# KiCad board VFDSAO.kicad_pcb (continued)
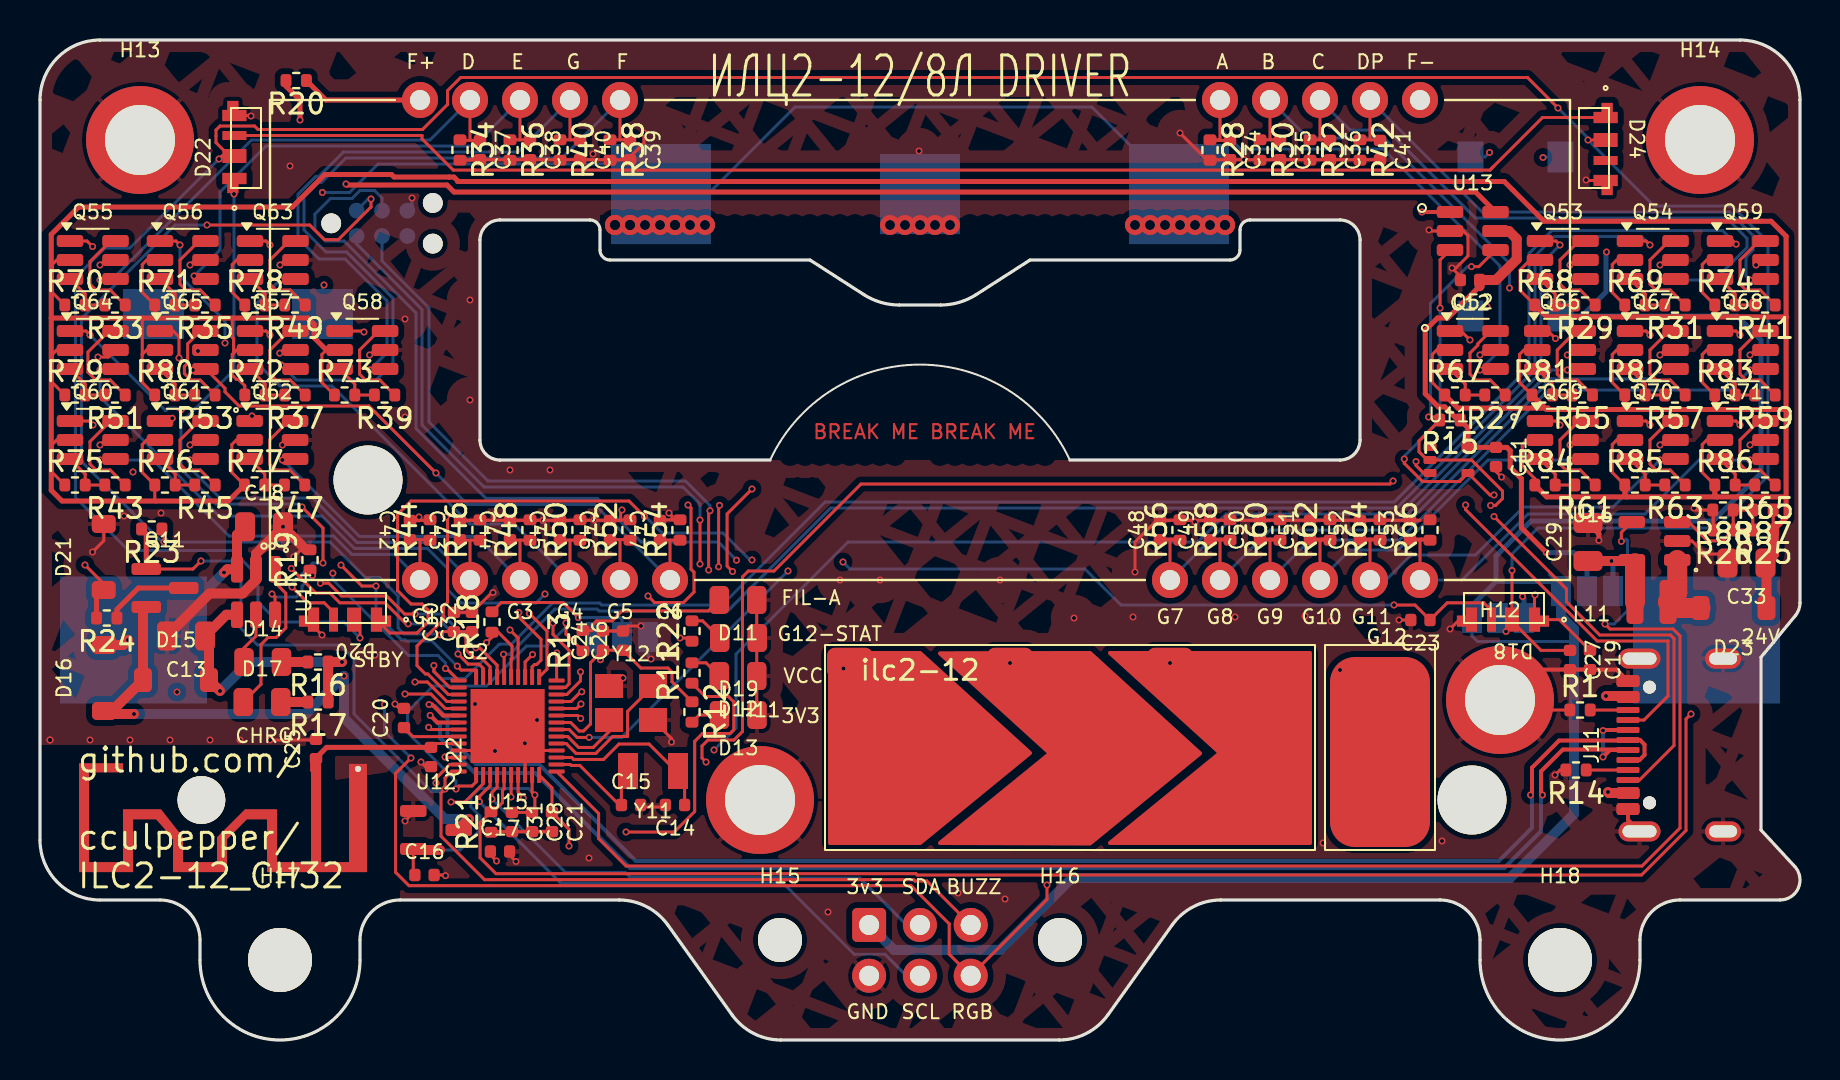
[diagram p0: board, top side]
## Routing (per net, layer and track width the routed paths; a pad name or vN(x,y) marks a point on that pad's centre or on a via; arc(x,y) is an arc through that point) (continued)
/FIL_DRIVE_B: length 109.7
  Top w0.15: U15.40 22.16,12.81 21.25,11.9 v2(20.55,11.9) ; v2(68.21,29.05) 68.21,28.84 69.12,27.92 70.97,27.92 U11.4 72.5,27.25 v2(72.7,27.25) ; v2(70,36.6) 70,39 U13.3
  In2.Cu w0.15: v2(72.7,27.25) 78.62,27.25 81.9,23.97 81.9,9.6 80.43,8.12 51.86,8.12 50.68,6.95 49.48,6.95 48.05,8.38 28.78,8.38 26.9,10.25 20.93,10.25 20.55,10.63 v2(20.55,11.9)
  Bottom w0.15: v2(68.21,29.05) 68.21,29.19 70,30.98 v2(70,36.6)
/FIL_SUP: length 27
  Top w0.25: 71.98,37.69 70.39,36.1 69.88,36.1 69.26,35.49 69.26,32.31 69.92,31.66 70.24,31.66 70.89,31 R15.1 71.4,30.61 U11.5 71.42,29.63 C11.1 73.34,29.63 73.51,29.47 73.51,28.63 74.07,28.07 74.07,25.62 v2(75.32,24.37)
  Top w0.5: U13.5 73.44,40.45 73.84,40.05 73.84,39.04 72.8,38 C12.1 71.98,37.69
  Bottom w0.25: JP11.2 77.35,23.69 76.67,24.37 v2(75.32,24.37)
/I2C_SCL: length 27.2
  Top w0.15: U15.41 22.5,12.71 21.97,12.17 v2(21.97,11.92)
  Bottom w0.15: J16.4 43.32,3.21 42.25,4.29 40.71,4.29 37.15,7.85 26.04,7.85 v2(21.97,11.92)
/I2C_SDA: length 25.3
  Top w0.15: 22.86,13.25 22.86,12.64 22.6,12.38 v2(22.6,12.05)
  Bottom w0.15: v2(22.6,12.05) 26.28,8.38 29.27,8.38 29.5,8.15 37.6,8.15 37.65,8.1 40.99,8.1 43.33,5.75 J16.3
/RGB_SUP: length 160.1
  Top w0.15: v2(73.3,20.42) 73.5,20.62 73.5,20.92 D18.2 ; D24.2 v2(77.4,45) ; D18.2 v2(73.6,23.47) ; D18.2 73.6,20.93 75.05,19.48 C27.1 ; v2(16,20.1) 16,20.89 ; v2(75.9,46.6) 74.38,48.12 21.03,48.12 20.38,47.47 20.38,46.77 19.12,45.53 10.9,45.53 10.72,45.7 9,45.7 8.8,45.5 8.8,44.87 9.47,44.2 D22.2 9.1,44.2 v2(8.95,44.05)
  Bottom w0.15: v2(8.95,44.05) 4.5,39.6 3.25,39.6 1.77,38.13 1.77,27.12 4.42,24.47 9.62,24.47 10.9,23.2 10.9,21.9 11.9,20.9 15.2,20.9 v2(16,20.1) ; v2(73.6,23.47) 73.6,24.3 74.9,25.6 83.8,25.6 86.4,28.2 86.4,39.9 84.6,41.7 80.7,41.7 v2(77.4,45) 77.4,45.1 v2(75.9,46.6) ; JP13.2 72.9,20.83 v2(73.3,20.42)
/RST: length 54.7
  Top w0.15: v2(27.46,15.13) 26.85,15.13 26.46,15.53 U15.7
  In2.Cu w0.15: v2(34.83,23.99) 35.27,23.55 37.3,23.55 v2(37.4,23.45)
  Bottom w0.15: v2(27.46,15.13) 29.08,15.13 v2(37.4,23.45) ; v2(34.83,23.99) 33.92,24.9 30.05,24.9 27.87,27.08 22.3,27.08 18.8,30.58 18.8,36.36 15.21,39.95 14.28,39.95 13.74,40.5 13.74,41.29 14.53,42.08 15.6,42.08 16,42.47 16.73,42.47 17.1,42.1 J12.3
/TOUCH1: length 15.6
  Top w0.15: 25.83,16.22 26.89,16.22 v2(27.03,16.08)
  In2.Cu w0.15: v2(40.17,18.58) 37.45,15.85 27.26,15.85 v2(27.03,16.08)
/TOUCH2: length 24.3
  Top w0.15: v2(27.05,16.8) 26.83,16.58 U15.10
  In2.Cu w0.15: v2(27.05,16.8) 36.25,16.8 39.1,19.65 47.7,19.65 v2(48.5,18.85)
/TOUCH3: length 33.1
  Top w0.15: v2(27.09,17.41) 27.03,17.41 26.55,16.92 U15.11
  In2.Cu w0.15: v2(56.5,18.85) 51.05,18.85 49.1,20.8 37.75,20.8 34.36,17.41 v2(27.09,17.41)
/TOUCH4: length 42.8
  Top w0.15: U15.12 26.34,17.28 27.03,17.96 v2(27.03,18.41)
  In2.Cu w0.15: v2(27.03,18.41) 28.12,18.41 28.31,18.6 33.55,18.6 36.85,21.9 49.9,21.9 51.55,20.25 63.25,20.25 v2(65,18.5)
/USB+: length 73.3
  Top w0.2: v2(19.51,16.23) 19.86,15.88 U15.31 ; v2(75.12,12.25) 75.05,12.32 75.05,13.43 76.14,14.52 79.47,14.52 ; J11.A6 78.5,14.5 v2(78.15,14.15) ; v2(78.15,15.47) 78.18,15.5 J11.B6
  Bottom w0.2: v2(78.15,15.47) v2(78.15,14.15) ; v2(19.51,16.23) 19.52,16.23 20,15.75 20,15.1 21.75,13.35 24.76,13.35 29.51,8.6 73.22,8.6 75.05,10.43 75.05,12.18 v2(75.12,12.25)
/USB-: length 72.2
  Top w0.2: J11.A7 80,15 80.22,14.78 80.22,14.25 79.97,14 J11.B7 ; 79.47,14.97 75.95,14.97 74.6,13.62 74.6,12.32 v2(74.53,12.25) ; v2(19.45,16.78) 19.61,16.78 20.16,16.22 20.93,16.22
  Bottom w0.2: v2(19.45,16.78) 19.53,16.7 19.75,16.7 20.38,16.08 20.38,15.22 21.8,13.8 24.94,13.8 29.79,8.95 72.93,8.95 74.6,10.62 74.6,12.18 v2(74.53,12.25)
/V_HI_EN: length 79.8
  Top w0.15: U16.4 79.07,25.38 v2(79.07,24.93) ; v2(78.25,20.8) 78.5,20.55 81.65,20.55 82,20.2 82,10.6 80.1,8.7 29.3,8.7 27.93,10.07 27.93,11.33 U15.1
  Bottom w0.15: v2(79.07,24.93) 79.11,24.97 79.38,24.97 ; 79.38,24.97 79.3,25.05 ; 79.38,24.97 79.38,21.47 78.71,20.8 v2(78.25,20.8)
Net-(AE11-A): length 8.7
  Top w0.15: 13.58,13.47 13.58,13.85 C25.1 ; U15.34 19.75,14.83 C22.1
  Top w0.25: AE11.1 C25.1 13.8,14.1 14.33,14.63 C22.1
Net-(BTe11-+): length 110.7
  Top w0.15: v2(26.45,9.7) 26.45,10.53 C21.1 25.6,12.61 U15.48
  In2.Cu w0.15: v2(14.12,42.38) 12.99,41.25 2.92,41.25 1.75,40.08 1.75,26 12.8,14.95 15.75,14.95 21,9.7 v2(26.45,9.7)
  Bottom w0.15: v2(14.12,42.38) 14.12,42.38 15.48,42.38 16.9,43.8 29.54,43.8 BTe11.1 33.39,42.29 37.75,46.65 52.59,46.65 BTe11.1
  vias: v3(28.75,40.75) v3(28.75,40.75) v3(29.5,40.75) v3(29.5,40.75) v3(30.25,40.75) v3(31,40.75) v3(31.75,40.75) v3(31.75,40.75) v3(32.5,40.75) v3(33.25,40.75) v3(54.75,40.75) v3(55.5,40.75) v3(56.25,40.75) v3(57,40.75) v3(57.75,40.75) v3(58.5,40.75) v3(59.25,40.75) v3(59.25,40.75)
Net-(BZ11-+): length 41.9
  Top w0.15: D21.1 3.19,22.81 v2(2.25,23.75)
  Top w0.25: R24.2 2.83,22.14 D21.1
  In2.Cu w0.15: v2(2.25,23.75) 1.35,24.65 1.35,40.1 2.85,41.6 7.3,41.6 8.8,43.1 14.11,43.1 15.56,41.65 15.56,39.11 v2(14.2,37.75)
  Bottom w0.15: BZ11.1 14.12,37.67 v2(14.2,37.75)
Net-(D11-A): length 7.6
  Top w0.15: D11.2 33.42,21.45 29.11,21.45 28.61,20.95 27.82,20.95 27.61,20.75 27.61,20.47 R13.2
Net-(D12-A): length 1.6
  Top w0.15: D12.2 33.3,18.86 R11.2
Net-(D13-A): length 1.5
  Top w0.15: D13.2 32.96,16.25 R12.2
Net-(D14-A): length 1.3
  Top w0.5: R16.2 D14.2
Net-(D14-K): length 2.6
  Top w0.15: D14.1 10.2,19.6 10.8,20.2 U14.5
Net-(D17-A): length 1.4
  Top w0.5: R17.2 D17.2
Net-(D17-K): length 8
  Top w0.15: U14.1 11.75,22.88 12.29,22.34 12.29,20.61 11.81,20.12 11.4,20.12 11.05,19.77 11.05,17.79 D17.1
Net-(D18-DOUT): length 67.9
  Top w0.15: v2(67.7,21.75) 68.75,21.75 C23.1 70.36,21.86 72.19,21.86 72.57,21.47 D18.3 ; D20.1 17.5,20.35 18.85,20.35 19.4,20.9 19.4,21.5 19.1,21.8 18.55,21.8 17.88,22.47 17.88,26.28 18.55,26.95 29.45,26.95 v2(30.22,26.17)
  In2.Cu w0.15: v2(35.6,24) 35.75,24.15 39.9,24.15 v2(40.15,23.9)
  Bottom w0.15: v2(40.15,23.9) 40.5,23.55 52.25,23.55 54.05,21.75 v2(67.7,21.75) ; v2(30.22,26.17) 30.28,26.17 31.1,25.35 34.15,25.35 35.5,24 v2(35.6,24)
Net-(D19-A): length 1.7
  Top w0.15: R22.2 33.13,20.96 D19.2
Net-(D20-DOUT): length 30.8
  Top w0.15: v2(9.7,42.3) 9.72,42.32 9.72,43.08 ; v2(14.15,23.85) 14.15,25.6 v2(13.1,26.65) ; v2(12.6,22.65) 13.39,21.86 14.21,21.86 14.67,21.39 D20.3
  Bottom w0.15: v2(14.15,23.85) 13.65,23.85 12.6,22.8 v2(12.6,22.65) ; v2(13.1,26.65) 12.95,26.8 8.8,26.8 7.05,28.55 7.05,30.85 9.7,33.5 v2(9.7,42.3)
Net-(D22-DOUT): length 70.7
  Top w0.15: 72.68,43.67 75.12,46.12 D24.1 ; 72.68,43.67 72.5,43.5 ; 72.68,43.67 72.5,43.5 21.75,43.5 21.75,43.5 21.75,43.5 20.66,43.5 19.1,45.06 19.1,45.22 D22.3
Net-(D23-A): length 4
  Top w1: U16.1 81.86,22.36 L11.2 81.7,21.6 D23.2
Net-(J11-CC1): length 2.1
  Top w0.15: J11.A5 R14.1
Net-(J11-CC2): length 1.9
  Top w0.15: J11.B5 R1.2
Net-(JP12-C): length 7.9
  Top w0.15: v2(26.92,21.12) 26.16,21.88 23.06,21.88 R18.2
  Bottom w0.15: JP12.2 29.1,21.04 29.03,21.12 v2(26.92,21.12)
Net-(Q11-D): length 4.2
  Top w0.25: R24.1 3.85,21.53 4.92,22.6 Q11.3
Net-(Q52A-D): length 5
  Top w0.15: Q52.6 72.53,35.45 71.89,34.81 71.89,34.74 71.5,34.35 71.5,33.29 71.79,33 72.51,33 R27.1
Net-(Q52B-G): length 2.6
  Top w0.15: Q52.3 71.26,32.79 R67.2 R27.2
Net-(Q53A-D): length 5.1
  Top w0.15: R29.1 77.01,37.5 76.29,37.5 76,37.79 76,39 76.95,39.95 77.28,39.95
Net-(Q53B-G): length 2.6
  Top w0.15: R29.2 R68.2 75.76,37.29 Q53.3
Net-(Q54A-D): length 5.1
  Top w0.15: 81.78,39.95 81.45,39.95 80.5,39 80.5,37.79 80.79,37.5 81.51,37.5 R31.1
Net-(Q54B-G): length 2.6
  Top w0.15: Q54.3 80.26,37.29 R69.2 R31.2
Net-(Q55A-D): length 5
  Top w0.15: Q55.6 3.53,39.95 2.5,38.92 2.5,37.79 2.79,37.5 3.51,37.5 R33.1
Net-(Q55B-G): length 2.6
  Top w0.15: R33.2 R70.2 2.26,37.29 Q55.3
Net-(Q56A-D): length 5.1
  Top w0.15: R35.1 8.01,37.5 7.29,37.5 7,37.79 7,39 7.95,39.95 Q56.6
Net-(Q56B-G): length 2.6
  Top w0.15: R35.2 R71.2 6.76,37.29 Q56.3
Net-(Q57A-D): length 5.1
  Top w0.15: R37.1 12.51,33 11.79,33 11.5,33.29 11.5,34.5 12.45,35.45 Q57.6
Net-(Q57B-G): length 2.6
  Top w0.15: R37.2 R72.2 11.26,32.79 Q57.3
Net-(Q58A-D): length 5.1
  Top w0.15: Q58.6 16.93,35.45 15.98,34.5 15.98,33.29 16.27,33 16.99,33 R39.1
Net-(Q58B-G): length 2.6
  Top w0.15: R39.2 R73.2 15.74,32.79 Q58.3
Net-(Q59A-D): length 5.1
  Top w0.15: 86.28,39.95 85.95,39.95 85,39 85,37.79 85.29,37.5 86.01,37.5 R41.1
Net-(Q59B-G): length 2.6
  Top w0.15: R41.2 R74.2 84.76,37.29 Q59.3
Net-(Q60A-D): length 5
  Top w0.15: Q60.6 3.53,30.95 2.5,29.92 2.5,28.79 2.79,28.5 3.51,28.5 R43.1
Net-(Q60B-G): length 2.6
  Top w0.15: R43.2 R75.2 2.26,28.29 Q60.3
Net-(Q61A-D): length 5.1
  Top w0.15: Q61.6 7.95,30.95 7,30 7,28.79 7.29,28.5 8.01,28.5 R45.1
Net-(Q61B-G): length 2.6
  Top w0.15: Q61.3 6.76,28.29 R76.2 R45.2
Net-(Q62A-D): length 5.1
  Top w0.15: R47.1 12.49,28.5 11.77,28.5 11.48,28.79 11.48,30 12.43,30.95 Q62.6
Net-(Q62B-G): length 2.6
  Top w0.15: Q62.3 11.24,28.29 R77.2 R47.2
Net-(Q63A-D): length 5.1
  Top w0.15: Q63.6 12.45,39.95 11.5,39 11.5,37.79 11.79,37.5 12.51,37.5 R49.1
Net-(Q63B-G): length 2.6
  Top w0.15: Q63.3 11.26,37.29 R78.2 R49.2
Net-(Q64A-D): length 5.2
  Top w0.15: R51.1 3.51,33 2.79,33 2.4,33.4 2.4,34.4 3.45,35.45 Q64.6
Net-(Q64B-G): length 2.6
  Top w0.15: Q64.3 2.26,32.79 R79.2 R51.2
Net-(Q65A-D): length 4.7
  Top w0.15: 8.75,32.25 8,33 7.54,33 7.22,33.32 7.22,33.68 7.38,33.84 7.38,34.81 8.02,35.45 Q65.6
Net-(Q65B-G): length 2.6
  Top w0.15: R53.2 6.76,32.25 6.76,32.79 Q65.3
Net-(Q66A-D): length 5.1
  Top w0.15: Q66.6 76.81,35.45 75.86,34.5 75.86,33.29 76.16,33 76.87,33 R55.1
Net-(Q66B-G): length 2.6
  Top w0.15: R55.2 R81.2 75.62,32.79 Q66.3
Net-(Q67A-D): length 5.1
  Top w0.15: 81.78,35.45 81.45,35.45 80.5,34.5 80.5,33.29 80.79,33 81.51,33 R57.1
Net-(Q67B-G): length 2.6
  Top w0.15: R57.2 R82.2 80.26,32.79 Q67.3
Net-(Q68A-D): length 5.1
  Top w0.15: R59.1 86.01,33 85.29,33 85,33.29 85,34.5 85.95,35.45 86.28,35.45
Net-(Q68B-G): length 2.6
  Top w0.15: Q68.3 84.76,32.79 R83.2 R59.2
Net-(Q69A-D): length 5.1
  Top w0.15: R61.1 77.01,28.5 76.29,28.5 76,28.79 76,30 76.95,30.95 77.28,30.95
Net-(Q69B-G): length 2.6
  Top w0.15: R61.2 R84.2 75.76,28.29 Q69.3
Net-(Q70A-D): length 5.1
  Top w0.15: 81.78,30.95 81.45,30.95 80.5,30 80.5,28.79 80.79,28.5 81.51,28.5 R63.1
Net-(Q70B-G): length 2.6
  Top w0.15: R63.2 R85.2 80.26,28.29 Q70.3
Net-(Q71A-D): length 5.1
  Top w0.15: R65.1 86.01,28.5 85.29,28.5 85,28.79 85,30 85.95,30.95 86.28,30.95
Net-(Q71B-G): length 2.6
  Top w0.15: R65.2 R86.2 84.76,28.29 Q71.3
Net-(U13-OUT_A): length 64.7
  Top w0.25: v2(15.3,42.8) 15.35,42.75 20.35,42.75 20.7,42.4 71.78,42.4 U13.6 ; v2(13,46) 13,46.99 12.3,47.69 R20.2
  In2.Cu w0.25: v2(13,46) 13,44.7 14.9,42.8 v2(15.3,42.8)
Net-(U14-PROG): length 4.1
  Top w0.15: U14.6 11.75,22.15 v2(11.6,22.3) ; v2(13.62,23.22) 13.5,23.35 R19.1
  Bottom w0.15: v2(11.6,22.3) 11.75,22.15 12.81,22.15 13.1,22.44 13.1,22.7 v2(13.62,23.22)
Net-(U15-OSC_IN): length 7.2
  Top w0.15: Y12.3 29.38,16.42 29.38,15.17 28.63,15.17 27.79,14.33 26.8,14.33 26.31,14.83 U15.5
Net-(U15-OSC_OUT): length 3.8
  Top w0.15: U15.6 26.38,15.17 26.93,14.63 27.66,14.63 28.45,15.41 Y12.1
Net-(U15-PC14/OSC32_IN): length 6
  Top w0.15: Y11.1 29.07,13.12 C15.1 ; U15.2 26.51,13.78 26.56,13.73 26.99,13.73 29.07,11.65
Net-(U15-PC15/OSC32_OUT): length 8.9
  Top w0.15: U15.3 26.59,14.12 26.68,14.03 28.18,14.03 28.95,14.8 30.45,14.8 32.23,13.02 32.23,11.65
Net-(U15-VINTA): length 2.9
  Top w0.15: C20.1 18.65,15.17 19.99,15.17 19.99,15.17 U15.33
Net-(U16-FB): length 7.4
  Top w0.15: U16.3 82.43,25.9 83.38,24.95 84.14,24.95 R26.1 ; R26.1 84.66,25.53 R88.1 R87.2 85.64,25.53 85.66,25.5 R26.1

## Copper pours and planes (outline as drawn; the poured copper is in the pictures)
GND on Top, Bottom, In1.Cu, In2.Cu: 91.89,52.32 91.89,52.42 92,-5 -3.11,-2 -1.75,51.4
GND on Top, Bottom, In1.Cu, In2.Cu: 91.9,52.6 91.9,52.7 91,-3 -3,-3 -2.9,56.7

## Text on the board
B.Silkscreen: GND RST 3V3 / NC  CLK DIO | GND 3V3 / BOOT1 | FILAMENT SUPPLY / VCC 3V3 | For battery operation, / change filament supply jumper / to power the filament from VCC / I2C: 0x5E / REG 0x30 - 0x3A, segments / REG 0x40 - 0x4A, ASCII text | + | - | BOOT0
Top: BREAK ME BREAK ME
F.Silkscreen: CHRG | STBY | F+ | G1 | D | G2 | G3 | E | G4 | G | G5 | F | G6 | G12-STAT | FIL-A | 3V3 | VCC | 3v3 | GND | SDA | SCL | BUZZ | RGB | G7 | G8 | A | G9 | B | G10 | C | G11 | DP | G12 | F- | 24V | github.com/ / cculpepper/ / ILC2-12_CH32 | ИЛЦ2-12/8Л DRIVER
